# KiCad board led_mapper_850.kicad_pcb (continued)
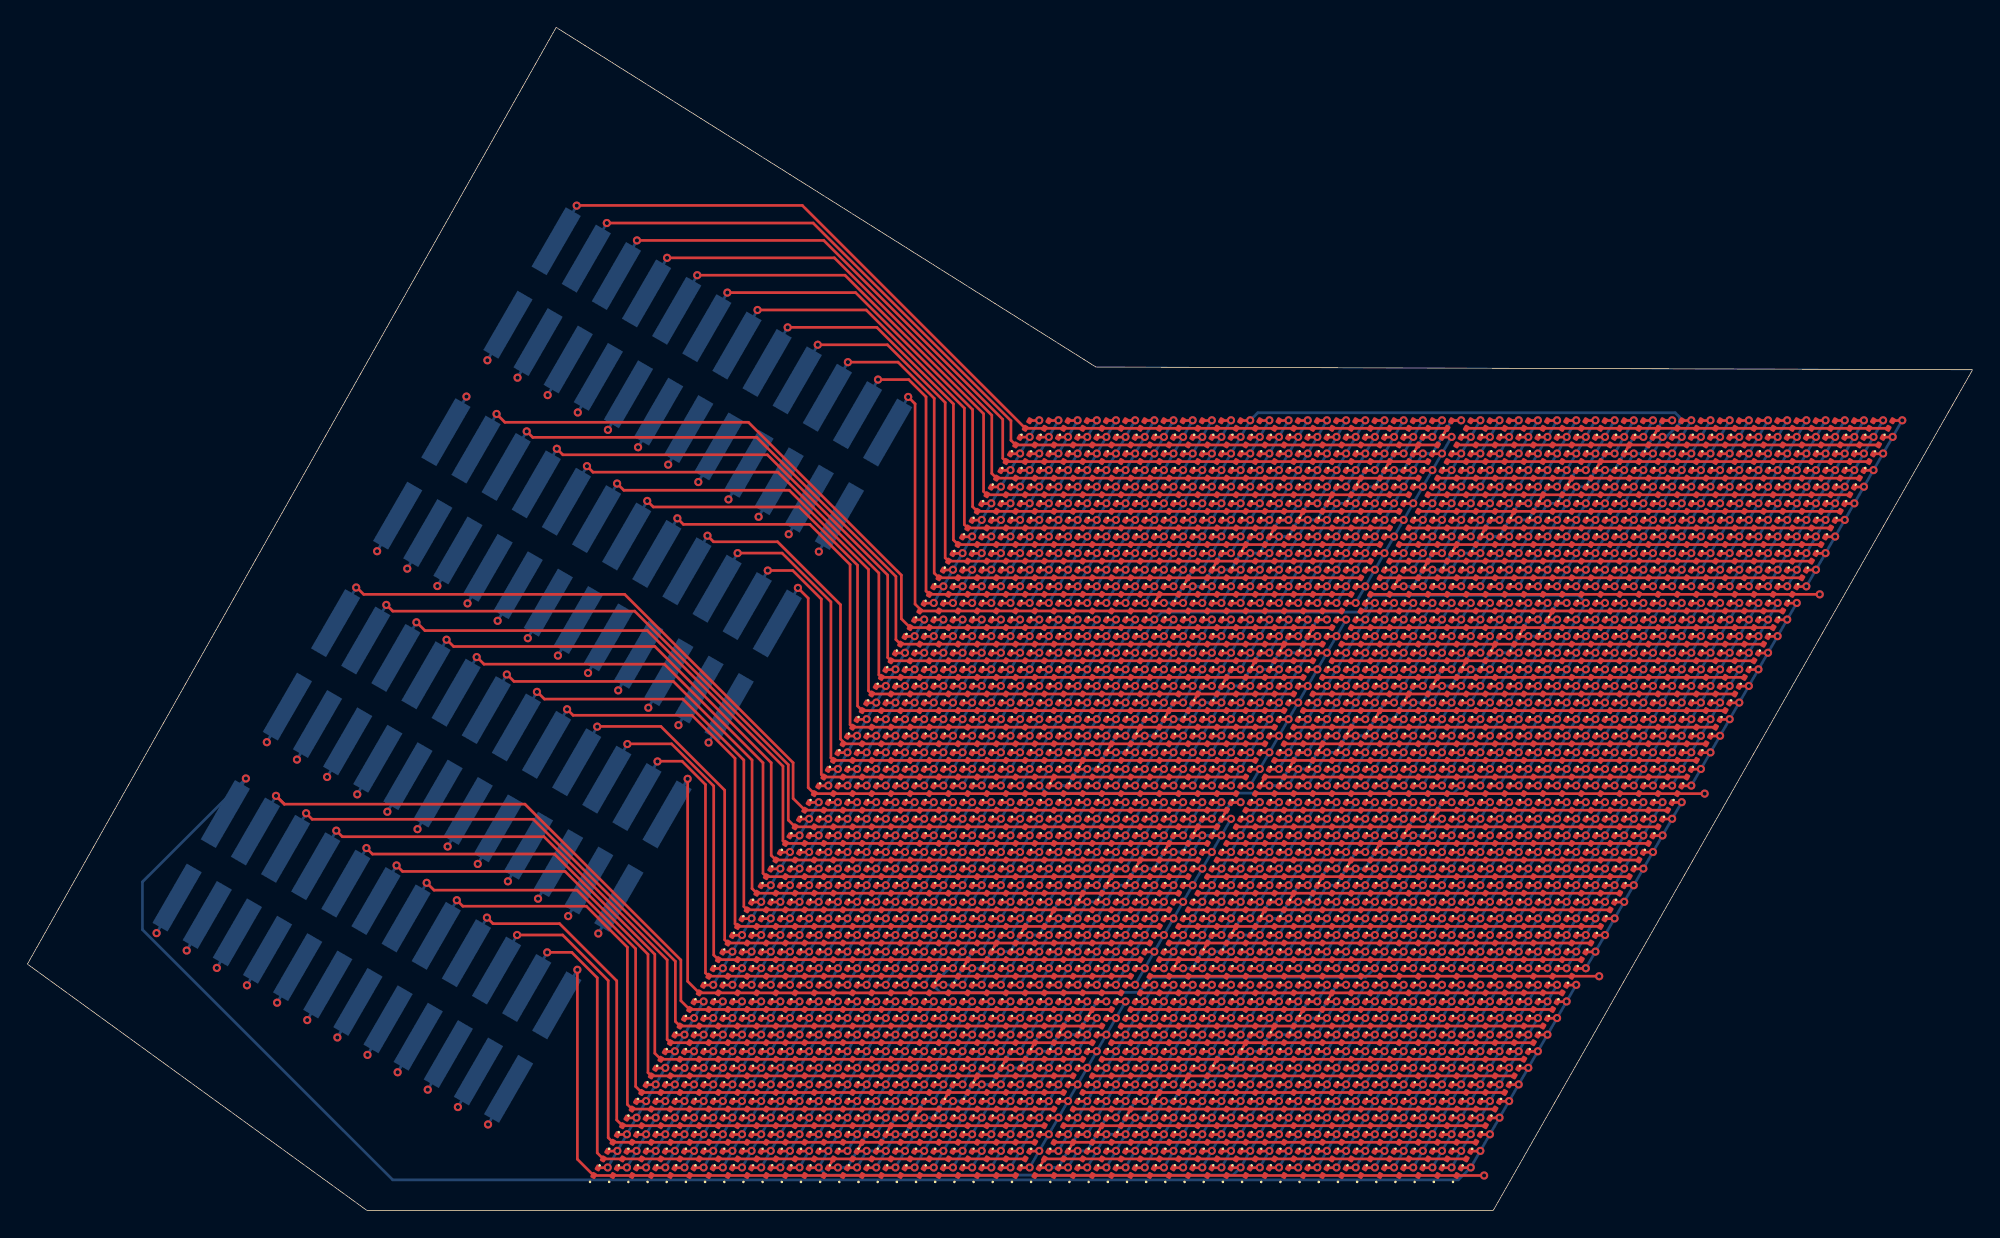
[diagram p0: board, top side]
## Routing (per net, layer and track width the routed paths; a pad name or vN(x,y) marks a point on that pad's centre or on a via; arc(x,y) is an arc through that point) (continued)
  In2.Cu w0.2: v1(86.46,38.31) 86.81,37.7 116.91,37.7 v1(117.26,38.31)
  Bottom w0.2: v1(80.86,31.04) v1(83.66,35.89) 84.36,35.89 85.76,38.31 v1(86.46,38.31) v1(89.26,43.16) ; J2.7 v1(45.25,51.82) ; v1(113.06,31.04) v1(120.76,44.37)
/network2/P08: length 138.3
  Top w0.2: D789.2 v1(84.36,37.1) ; D767.2 v1(115.16,37.1) ; D951.2 v1(117.96,41.95) ; v1(47.45,50.55) 47.89,50.11 57.12,50.11 60.06,47.17 60.06,35.48 D759.1 D737.1 ; D997.2 v1(118.66,43.16) ; D905.2 v1(117.26,40.74) ; D560.2 v1(79.46,31.04) ; D859.2 v1(116.56,39.52) ; D583.2 v1(112.36,32.25) ; D881.2 v1(85.76,39.52) ; D675.2 v1(113.76,34.67) ; D537.2 v1(111.66,31.04) ; D629.2 v1(113.06,33.46) ; D1043.2 v1(119.36,44.37) ; D744.1 D698.2 v1(81.56,34.67) ; D973.2 v1(87.16,41.95) ; D652.2 v1(80.86,33.46) ; D927.2 v1(86.46,40.74) ; D835.2 v1(85.06,38.31) ; D1019.2 v1(87.86,43.16) ; D813.2 v1(115.86,38.31) ; D721.2 v1(114.46,35.89) ; D606.2 v1(80.16,32.25)
  In2.Cu w0.2: v1(85.76,39.52) 86.11,38.92 116.21,38.92 v1(116.56,39.52)
  Bottom w0.2: 45.95,47.95 v1(47.45,50.55) ; v1(87.86,43.16) v1(84.36,37.1) 83.66,37.1 82.26,34.67 v1(81.56,34.67) v1(79.46,31.04) ; v1(111.66,31.04) v1(119.36,44.37)
/network2/P09: length 134.3
  Top w0.2: D691.1 59.7,34.09 59.36,34.43 59.36,44.24 54.76,48.84 50.09,48.84 v1(49.65,49.28) ; D768.2 v1(113.76,37.1) ; D814.2 v1(114.46,38.31) ; D882.2 v1(84.36,39.52) ; D974.2 v1(85.76,41.95) ; v1(79.46,33.46) D653.2 D699.1 ; D790.2 v1(82.96,37.1) ; D722.2 v1(113.06,35.89) ; D607.2 v1(78.76,32.25) ; D928.2 v1(85.06,40.74) ; D1020.2 v1(86.46,43.16) ; D744.2 v1(82.26,35.89) ; D952.2 v1(116.56,41.95) ; D860.2 v1(115.16,39.52) ; D836.2 v1(83.66,38.31) ; D630.2 v1(111.66,33.46) ; D998.2 v1(117.26,43.16) ; D561.2 v1(78.06,31.04) ; D1044.2 v1(117.96,44.37) ; D538.2 v1(110.26,31.04) ; D906.2 v1(115.86,40.74) ; D584.2 v1(110.96,32.25) ; D676.2 v1(112.36,34.67)
  In2.Cu w0.2: v1(115.86,40.74) 115.51,40.13 85.41,40.13 v1(85.06,40.74)
  Bottom w0.2: 48.15,46.68 v1(49.65,49.28) ; v1(78.06,31.04) v1(79.46,33.46) 80.16,33.46 81.56,35.89 v1(82.26,35.89) v1(86.46,43.16) ; v1(110.26,31.04) v1(117.96,44.37)
/network2/P10: length 132.3
  Top w0.2: D953.2 v1(115.16,41.95) ; D539.2 v1(108.86,31.04) ; D929.2 v1(83.66,40.74) ; D654.1 D608.2 v1(77.36,32.25) ; D883.2 v1(82.96,39.52) ; D562.2 v1(76.66,31.04) ; D1021.2 v1(85.06,43.16) ; D769.2 v1(112.36,37.1) ; D677.2 v1(110.96,34.67) ; D999.2 v1(115.86,43.16) ; D1045.2 v1(116.56,44.37) ; D699.2 v1(80.16,34.67) ; v1(51.85,48.01) 55.09,48.01 58.66,44.45 58.66,33.06 D667.1 D645.1 ; D837.2 v1(82.26,38.31) ; D723.2 v1(111.66,35.89) ; D791.2 v1(81.56,37.1) ; D861.2 v1(113.76,39.52) ; D631.2 v1(110.26,33.46) ; D815.2 v1(113.06,38.31) ; D975.2 v1(84.36,41.95) ; D907.2 v1(114.46,40.74) ; D745.2 v1(80.86,35.89) ; D585.2 v1(109.56,32.25)
  In2.Cu w0.2: v1(84.36,41.95) 84.71,41.34 114.81,41.34 v1(115.16,41.95)
  Bottom w0.2: v1(76.66,31.04) v1(77.36,32.25) 78.06,32.25 79.46,34.67 v1(80.16,34.67) v1(85.06,43.16) ; 50.35,45.41 v1(51.85,48.01) ; v1(108.86,31.04) v1(116.56,44.37)
/network2/P11: length 130.2
  Top w0.2: D884.2 v1(81.56,39.52) ; D1000.2 v1(114.46,43.16) ; D862.2 v1(112.36,39.52) ; D724.2 v1(110.26,35.89) ; D838.2 v1(80.86,38.31) ; D654.2 v1(78.06,33.46) ; D1046.2 v1(115.16,44.37) ; D599.1 D621.1 57.96,31.84 57.96,44.65 55.87,46.74 v1(54.05,46.74) ; D816.2 v1(111.66,38.31) ; D586.2 v1(108.16,32.25) ; D1022.2 v1(83.66,43.16) ; D609.1 D563.2 v1(75.26,31.04) ; D976.2 v1(82.96,41.95) ; D930.2 v1(82.26,40.74) ; D770.2 v1(110.96,37.1) ; D792.2 v1(80.16,37.1) ; D540.2 v1(107.46,31.04) ; D632.2 v1(108.86,33.46) ; D678.2 v1(109.56,34.67) ; D700.2 v1(78.76,34.67) ; D908.2 v1(113.06,40.74) ; D746.2 v1(79.46,35.89) ; D954.2 v1(113.76,41.95)
  In2.Cu w0.2: v1(114.46,43.16) 114.11,42.55 84.01,42.55 v1(83.66,43.16)
  Bottom w0.2: v1(83.66,43.16) v1(78.06,33.46) 77.36,33.46 75.96,31.04 v1(75.26,31.04) ; v1(107.46,31.04) v1(115.16,44.37) ; 52.55,44.14 v1(54.05,46.74)
/network2/P12: length 184.8
  Top w0.2: D747.2 v1(78.06,35.89) ; v1(56.25,45.47) 57,44.72 57,30.89 D575.1 D553.1 ; D817.2 v1(110.26,38.31) ; D793.2 v1(78.76,37.1) ; D955.2 v1(112.36,41.95) ; D541.2 v1(106.06,31.04) ; D1001.2 v1(113.06,43.16) ; D909.2 v1(111.66,40.74) ; D977.2 v1(81.56,41.95) ; D885.2 v1(80.16,39.52) ; D725.2 v1(108.86,35.89) ; D1023.2 v1(82.26,43.16) ; D931.2 v1(80.86,40.74) ; D701.2 v1(77.36,34.67) ; D609.2 v1(75.96,32.25) ; D863.2 v1(110.96,39.52) ; D839.2 v1(79.46,38.31) ; D655.2 v1(76.66,33.46) ; D587.2 v1(106.76,32.25) ; D771.2 v1(109.56,37.1) ; D679.2 v1(108.16,34.67) ; D633.2 v1(107.46,33.46) ; D1047.2 v1(113.76,44.37)
  In2.Cu w0.2: v1(113.06,43.16) 112.71,43.77 82.61,43.77 v1(82.26,43.16) 82.26,44.45 81.79,44.92 56.8,44.92 v1(56.25,45.47)
  Bottom w0.2: v1(106.06,31.04) v1(113.76,44.37) 113.21,44.92 98.14,44.92 97.76,44.54 97.76,44.02 97.45,43.71 82.81,43.71 v1(82.26,43.16) v1(75.96,32.25) ; 54.75,42.87 v1(56.25,45.47)
/network2/P13: length 167.3
  Top w0.2: D610.2 v1(74.56,32.25) ; D794.2 v1(77.36,37.1) ; D702.2 v1(75.96,34.67) ; D932.2 v1(79.46,40.74) ; D680.2 v1(106.76,34.67) ; D634.2 v1(106.06,33.46) ; D956.2 v1(110.96,41.95) ; D656.2 v1(75.26,33.46) ; D772.2 v1(108.16,37.1) ; v1(111.66,43.16) D1002.2 D1048.1 ; D588.2 v1(105.36,32.25) ; D910.2 v1(110.26,40.74) ; D542.2 v1(104.66,31.04) ; D748.2 v1(76.66,35.89) ; D1036.1 D1058.1 ; D1024.2 v1(80.86,43.16) ; D840.2 v1(78.06,38.31) ; D818.2 v1(108.86,38.31) ; D564.2 v1(73.86,31.04) ; D726.2 v1(107.46,35.89) ; D886.2 v1(78.76,39.52) ; D978.2 v1(80.16,41.95) ; D864.2 v1(109.56,39.52)
  In2.Cu w0.2: v1(25.53,48.15) 35.65,48.15 41.3,42.5 80.2,42.5 v1(80.86,43.16)
  Bottom w0.2: v1(80.86,43.16) v1(73.86,31.04) 74.41,30.49 104.11,30.49 v1(104.66,31.04) v1(111.66,43.16) ; J2.13 v1(25.53,48.15)
/network2/P14: length 166.3
  Top w0.2: D749.2 v1(75.26,35.89) ; D1003.1 D957.2 v1(109.56,41.95) ; D819.2 v1(107.46,38.31) ; D565.2 v1(72.46,31.04) ; D841.2 v1(76.66,38.31) ; D1048.2 v1(112.36,44.37) ; D865.2 v1(108.16,39.52) ; D773.2 v1(106.76,37.1) ; D611.2 v1(73.16,32.25) ; D703.2 v1(74.56,34.67) ; D979.2 v1(78.76,41.95) ; D911.2 v1(108.86,40.74) ; D589.2 v1(103.96,32.25) ; D635.2 v1(104.66,33.46) ; D543.2 v1(103.26,31.04) ; D727.2 v1(106.06,35.89) ; D1025.2 v1(79.46,43.16) ; D657.2 v1(73.86,33.46) ; D990.1 D1012.1 ; D933.2 v1(78.06,40.74) ; D681.2 v1(105.36,34.67) ; D887.2 v1(77.36,39.52) ; D795.2 v1(75.96,37.1)
  In1.Cu w0.2: v1(103.96,32.25) 103.61,31.64 73.51,31.64 v1(73.16,32.25) ; v1(27.73,46.88) 27.73,46.87 28.44,46.16 61.33,46.16 65.31,42.18 65.31,41.72 66.01,41.02 66.01,40.51 66.71,39.81 66.71,39.29 67.41,38.59 67.41,38.03 68.11,37.33 68.11,36.87 68.81,36.17 68.81,35.66 69.51,34.96 69.51,34.45 70.21,33.75 70.21,33.23 70.91,32.53 70.91,32.02 71.9,31.04 v1(72.46,31.04)
  Bottom w0.2: J2.14 v1(27.73,46.88) ; v1(112.36,44.37) 111.66,44.37 110.26,41.95 v1(109.56,41.95) v1(103.26,31.04) ; v1(72.46,31.04) v1(79.46,43.16)
/network2/P15: length 161.7
  Top w0.2: D1049.2 v1(110.96,44.37) ; D704.2 v1(73.16,34.67) ; D934.2 v1(76.66,40.74) ; D1003.2 v1(110.26,43.16) ; D888.2 v1(75.96,39.52) ; D750.2 v1(73.86,35.89) ; D544.2 v1(101.86,31.04) ; D682.2 v1(103.96,34.67) ; D944.1 D966.1 ; D774.2 v1(105.36,37.1) ; D842.2 v1(75.26,38.31) ; D866.2 v1(106.76,39.52) ; D958.1 D912.2 v1(107.46,40.74) ; D636.2 v1(103.26,33.46) ; D612.2 v1(71.76,32.25) ; D566.2 v1(71.06,31.04) ; D658.2 v1(72.46,33.46) ; D980.2 v1(77.36,41.95) ; D728.2 v1(104.66,35.89) ; D1026.2 v1(78.06,43.16) ; D820.2 v1(106.06,38.31) ; D796.2 v1(74.56,37.1) ; D590.2 v1(102.56,32.25)
  In1.Cu w0.2: v1(71.06,31.04) 70.8,31.04 69.51,32.32 69.51,32.48 68.88,33.11 68.88,33.62 68.11,34.39 68.11,34.9 67.41,35.6 67.41,36.11 66.71,36.81 66.71,37.33 66.28,37.76 66.28,38.27 65.58,38.97 65.58,39.49 64.88,40.19 64.88,40.7 60.69,44.89 30.65,44.89 v1(29.93,45.61) ; v1(103.26,33.46) 102.91,32.85 72.81,32.85 v1(72.46,33.46)
  Bottom w0.2: v1(110.96,44.37) v1(110.26,43.16) 109.56,43.16 108.16,40.74 v1(107.46,40.74) v1(101.86,31.04) ; J2.15 v1(29.93,45.61) ; v1(71.06,31.04) v1(78.06,43.16)
/network2/P16: length 157.3
  Top w0.2: D958.2 v1(108.16,41.95) ; D889.2 v1(74.56,39.52) ; D659.2 v1(71.06,33.46) ; D913.1 D867.2 v1(105.36,39.52) ; D981.2 v1(75.96,41.95) ; D545.2 v1(100.46,31.04) ; D1004.2 v1(108.86,43.16) ; D751.2 v1(72.46,35.89) ; D821.2 v1(104.66,38.31) ; D567.2 v1(69.66,31.04) ; D637.2 v1(101.86,33.46) ; D797.2 v1(73.16,37.1) ; D1050.2 v1(109.56,44.37) ; D775.2 v1(103.96,37.1) ; D591.2 v1(101.16,32.25) ; D935.2 v1(75.26,40.74) ; D613.2 v1(70.36,32.25) ; D1027.2 v1(76.66,43.16) ; D898.1 D920.1 ; D843.2 v1(73.86,38.31) ; D729.2 v1(103.26,35.89) ; D683.2 v1(102.56,34.67) ; D705.2 v1(71.76,34.67)
  In1.Cu w0.2: v1(71.76,34.67) 72.11,34.07 102.21,34.07 v1(102.56,34.67) ; v1(32.13,44.34) 59.33,44.34 63.91,39.75 63.91,39.24 64.61,38.54 64.61,38.03 65.31,37.33 65.31,36.89 66.2,36 66.2,35.77 66.8,35.17 66.8,34.6 67.71,33.69 67.71,33.23 68.22,32.73 68.22,32.22 69.4,31.04 v1(69.66,31.04)
  Bottom w0.2: v1(69.66,31.04) v1(76.66,43.16) ; J2.16 v1(32.13,44.34) ; v1(100.46,31.04) v1(105.36,39.52) 106.06,39.52 107.46,41.95 v1(108.16,41.95) v1(109.56,44.37)
/network2/P17: length 152.9
  Top w0.2: D959.2 v1(106.76,41.95) ; D614.2 v1(68.96,32.25) ; D868.1 D822.2 v1(103.26,38.31) ; D706.2 v1(70.36,34.67) ; D592.2 v1(99.76,32.25) ; D730.2 v1(101.86,35.89) ; D982.2 v1(74.56,41.95) ; D568.2 v1(68.26,31.04) ; D890.2 v1(73.16,39.52) ; D776.2 v1(102.56,37.1) ; D752.2 v1(71.06,35.89) ; D798.2 v1(71.76,37.1) ; D852.1 D874.1 ; D660.2 v1(69.66,33.46) ; D684.2 v1(101.16,34.67) ; D1005.2 v1(107.46,43.16) ; D913.2 v1(106.06,40.74) ; D936.2 v1(73.86,40.74) ; D546.2 v1(99.06,31.04) ; D1028.2 v1(75.26,43.16) ; D638.2 v1(100.46,33.46) ; D1051.2 v1(108.16,44.37) ; D844.2 v1(72.46,38.31)
  In1.Cu w0.2: v1(101.86,35.89) 101.51,35.28 71.41,35.28 v1(71.06,35.89) ; v1(34.33,43.07) 58.73,43.07 63.51,38.29 63.51,37.89 64.21,37.19 64.21,36.79 64.61,36.39 64.61,35.6 65.4,34.82 65.4,34.3 66.31,33.39 66.31,33.18 67.01,32.48 67.01,32.02 68,31.04 v1(68.26,31.04)
  Bottom w0.2: v1(68.26,31.04) v1(75.26,43.16) ; J2.17 v1(34.33,43.07) ; v1(99.06,31.04) v1(103.26,38.31) 103.96,38.31 105.36,40.74 v1(106.06,40.74) v1(108.16,44.37)
/network2/P18: length 148.5
  Top w0.2: D891.2 v1(71.76,39.52) ; D615.2 v1(67.56,32.25) ; D1029.2 v1(73.86,43.16) ; D845.2 v1(71.06,38.31) ; D1052.2 v1(106.76,44.37) ; D799.2 v1(70.36,37.1) ; D639.2 v1(99.06,33.46) ; D593.2 v1(98.36,32.25) ; D914.2 v1(104.66,40.74) ; D661.2 v1(68.26,33.46) ; D707.2 v1(68.96,34.67) ; D731.2 v1(100.46,35.89) ; v1(101.16,37.1) D777.2 D823.1 ; D868.2 v1(103.96,39.52) ; D1006.2 v1(106.06,43.16) ; D960.2 v1(105.36,41.95) ; D937.2 v1(72.46,40.74) ; D753.2 v1(69.66,35.89) ; D685.2 v1(99.76,34.67) ; D806.1 D828.1 ; D547.2 v1(97.66,31.04) ; D983.2 v1(73.16,41.95) ; D569.2 v1(66.86,31.04)
  In1.Cu w0.2: v1(36.53,41.8) 58.04,41.8 62.81,37.03 62.81,36.87 63.51,36.17 63.51,35.49 64.21,34.79 64.21,34.45 64.61,34.05 64.61,33.39 65.61,32.39 65.61,31.99 66.56,31.04 v1(66.86,31.04) ; v1(101.16,37.1) 100.81,36.49 70.71,36.49 v1(70.36,37.1)
  Bottom w0.2: v1(66.86,31.04) v1(73.86,43.16) ; v1(97.66,31.04) v1(101.16,37.1) 101.86,37.1 103.26,39.52 v1(103.96,39.52) v1(106.76,44.37) ; J2.18 v1(36.53,41.8)
/network2/P19: length 145.5
  Top w0.2: D984.2 v1(71.76,41.95) ; v1(99.06,35.89) D732.2 D778.1 ; D938.2 v1(71.06,40.74) ; D760.1 D782.1 ; D570.2 v1(65.46,31.04) ; D1030.2 v1(72.46,43.16) ; D892.2 v1(70.36,39.52) ; D686.2 v1(98.36,34.67) ; D640.2 v1(97.66,33.46) ; D616.2 v1(66.16,32.25) ; D708.2 v1(67.56,34.67) ; D1053.2 v1(105.36,44.37) ; D662.2 v1(66.86,33.46) ; D1007.2 v1(104.66,43.16) ; D754.2 v1(68.26,35.89) ; D823.2 v1(101.86,38.31) ; D961.2 v1(103.96,41.95) ; D915.2 v1(103.26,40.74) ; D800.2 v1(68.96,37.1) ; D846.2 v1(69.66,38.31) ; D594.2 v1(96.96,32.25) ; D869.2 v1(102.56,39.52) ; D548.2 v1(96.26,31.04)
  In1.Cu w0.2: v1(38.73,40.53) 57.4,40.53 62,35.93 62,35.42 62.51,34.9 62.51,34.75 63.29,33.97 63.29,33.4 64.21,32.48 64.21,31.99 65.16,31.04 v1(65.46,31.04) ; v1(69.66,38.31) 70.01,37.7 101.51,37.7 v1(101.86,38.31)
  Bottom w0.2: J2.19 v1(38.73,40.53) ; v1(96.26,31.04) v1(99.06,35.89) 99.76,35.89 101.16,38.31 v1(101.86,38.31) v1(105.36,44.37) ; v1(65.46,31.04) v1(72.46,43.16)
/network2/P20: length 141
  Top w0.2: v1(96.96,34.67) D687.2 D733.1 ; D870.2 v1(101.16,39.52) ; D1054.2 v1(103.96,44.37) ; D1008.2 v1(103.26,43.16) ; D985.2 v1(70.36,41.95) ; D962.2 v1(102.56,41.95) ; D549.2 v1(94.86,31.04) ; D939.2 v1(69.66,40.74) ; D824.2 v1(100.46,38.31) ; D916.2 v1(101.86,40.74) ; D663.2 v1(65.46,33.46) ; D778.2 v1(99.76,37.1) ; D709.2 v1(66.16,34.67) ; D801.2 v1(67.56,37.1) ; D847.2 v1(68.26,38.31) ; D893.2 v1(68.96,39.52) ; D641.2 v1(96.26,33.46) ; D571.2 v1(64.06,31.04) ; D595.2 v1(95.56,32.25) ; D617.2 v1(64.76,32.25) ; D714.1 D736.1 ; D755.2 v1(66.86,35.89) ; D1031.2 v1(71.06,43.16)
  In1.Cu w0.2: v1(68.26,38.31) 68.61,38.92 100.11,38.92 v1(100.46,38.31) ; v1(64.06,31.04) 63.76,31.04 62.75,32.05 62.75,32.6 62.07,33.27 62.07,33.79 61.2,34.66 61.2,34.82 56.76,39.26 v1(40.93,39.26)
  Bottom w0.2: v1(103.96,44.37) v1(99.76,37.1) 99.06,37.1 97.66,34.67 v1(96.96,34.67) v1(94.86,31.04) ; J2.20 v1(40.93,39.26) ; v1(64.06,31.04) v1(71.06,43.16)
/network2/P21: length 136.8
  Top w0.2: D825.2 v1(99.06,38.31) ; D550.2 v1(93.46,31.04) ; D894.2 v1(67.56,39.52) ; D710.2 v1(64.76,34.67) ; D618.2 v1(63.36,32.25) ; D756.2 v1(65.46,35.89) ; D940.2 v1(68.26,40.74) ; D572.2 v1(62.66,31.04) ; D802.2 v1(66.16,37.1) ; D1055.2 v1(102.56,44.37) ; D1032.2 v1(69.66,43.16) ; D688.1 D642.2 v1(94.86,33.46) ; D733.2 v1(97.66,35.89) ; D596.2 v1(94.16,32.25) ; D668.1 D690.1 ; D871.2 v1(99.76,39.52) ; D1009.2 v1(101.86,43.16) ; D917.2 v1(100.46,40.74) ; D963.2 v1(101.16,41.95) ; D779.2 v1(98.36,37.1) ; D848.2 v1(66.86,38.31) ; D664.2 v1(64.06,33.46) ; D986.2 v1(68.96,41.95)
  In1.Cu w0.2: v1(99.76,39.52) 99.41,40.13 67.91,40.13 v1(67.56,39.52) ; v1(43.13,37.99) 56.41,37.99 60.71,33.69 60.71,32.88 61.4,32.19 61.4,32.03 62.4,31.04 v1(62.66,31.04)
  Bottom w0.2: v1(93.46,31.04) v1(94.86,33.46) 95.56,33.46 96.96,35.89 v1(97.66,35.89) v1(102.56,44.37) ; J2.21 v1(43.13,37.99) ; v1(62.66,31.04) v1(69.66,43.16)
/network2/P22: length 132.3
  Top w0.2: D872.2 v1(98.36,39.52) ; D1010.2 v1(100.46,43.16) ; D573.2 v1(61.26,31.04) ; D643.1 D597.2 v1(92.76,32.25) ; D757.2 v1(64.06,35.89) ; D688.2 v1(95.56,34.67) ; D780.2 v1(96.96,37.1) ; D665.2 v1(62.66,33.46) ; D1033.2 v1(68.26,43.16) ; D1056.2 v1(101.16,44.37) ; D895.2 v1(66.16,39.52) ; D622.1 D644.1 ; D964.2 v1(99.76,41.95) ; D987.2 v1(67.56,41.95) ; D826.2 v1(97.66,38.31) ; D803.2 v1(64.76,37.1) ; D711.2 v1(63.36,34.67) ; D619.2 v1(61.96,32.25) ; D849.2 v1(65.46,38.31) ; D918.2 v1(99.06,40.74) ; D941.2 v1(66.86,40.74) ; D551.2 v1(92.06,31.04) ; D734.2 v1(96.26,35.89)
  In1.Cu w0.2: v1(66.86,40.74) 67.21,41.34 98.71,41.34 v1(99.06,40.74) ; v1(45.33,36.72) 55.68,36.72 60.01,32.39 60.01,32.02 61,31.04 v1(61.26,31.04)
  Bottom w0.2: J2.22 v1(45.33,36.72) ; v1(101.16,44.37) v1(95.56,34.67) 94.86,34.67 93.46,32.25 v1(92.76,32.25) v1(92.06,31.04) ; v1(61.26,31.04) v1(68.26,43.16)
/network2/P23: length 127.9
  Top w0.2: D850.2 v1(64.06,38.31) ; D988.2 v1(66.16,41.95) ; D576.1 D598.1 D552.2 v1(90.66,31.04) ; D896.2 v1(64.76,39.52) ; D689.2 v1(94.16,34.67) ; D965.2 v1(98.36,41.95) ; D758.2 v1(62.66,35.89) ; D827.2 v1(96.26,38.31) ; D873.2 v1(96.96,39.52) ; D643.2 v1(93.46,33.46) ; D666.2 v1(61.26,33.46) ; D942.2 v1(65.46,40.74) ; D712.2 v1(61.96,34.67) ; D781.2 v1(95.56,37.1) ; D919.2 v1(97.66,40.74) ; D1034.2 v1(66.86,43.16) ; D804.2 v1(63.36,37.1) ; D1011.2 v1(99.06,43.16) ; D620.2 v1(60.56,32.25) ; D735.2 v1(94.86,35.89) ; D1057.2 v1(99.76,44.37) ; D574.2 v1(59.86,31.04)
  In1.Cu w0.2: v1(66.16,41.95) 66.51,42.55 98.01,42.55 v1(98.36,41.95) ; v1(59.86,31.04) 59.24,31.04 54.83,35.45 v1(47.53,35.45)
  Bottom w0.2: v1(99.76,44.37) v1(93.46,33.46) 92.76,33.46 91.36,31.04 v1(90.66,31.04) ; J2.23 v1(47.53,35.45) ; v1(59.86,31.04) v1(66.86,43.16)
/network2/P24: length 161.6
  Top w0.2: D644.2 v1(92.06,33.46) ; D1012.2 v1(97.66,43.16) ; D575.2 v1(58.46,31.04) ; D1035.2 v1(65.46,43.16) ; D552.1 D530.1 v1(122.44,30.45) ; D1058.2 v1(98.36,44.37) ; D667.2 v1(59.86,33.46) ; D805.2 v1(61.96,37.1) ; D966.2 v1(96.96,41.95) ; D828.2 v1(94.86,38.31) ; D874.2 v1(95.56,39.52) ; D943.2 v1(64.06,40.74) ; D621.2 v1(59.16,32.25) ; D782.2 v1(94.16,37.1) ; D690.2 v1(92.76,34.67) ; D989.2 v1(64.76,41.95) ; D713.2 v1(60.56,34.67) ; D759.2 v1(61.26,35.89) ; D851.2 v1(62.66,38.31) ; D920.2 v1(96.26,40.74) ; D598.2 v1(91.36,32.25) ; D897.2 v1(63.36,39.52) ; D736.2 v1(93.46,35.89)
  In1.Cu w0.2: v1(49.73,34.18) 55.32,34.18 v1(58.46,31.04) ; v1(122.44,30.45) 122.71,30.72 122.71,32.69 122.2,33.2 122.2,33.93 122.71,34.45 122.71,34.9 122.2,35.42 122.2,36.36 122.71,36.87 122.71,37.49 122.2,38 122.2,38.78 122.71,39.29 122.71,40.09 122.2,40.6 122.2,41.21 122.71,41.72 122.71,42.53 122.2,43.05 122.2,43.56 121.94,43.82 98.91,43.82 v1(98.36,44.37) ; v1(65.46,43.16) 65.81,43.77 97.31,43.77 v1(97.66,43.16)
  Bottom w0.2: J2.24 v1(49.73,34.18) ; v1(91.36,32.25) v1(98.36,44.37) ; v1(58.46,31.04) v1(65.46,43.16)
/network3/P01: length 91.5
  Top w0.2: D1105.2 v1(57.06,28.61) ; D1496.2 v1(83.66,18.91) ; D1335.2 v1(53.56,22.55) ; D1450.2 v1(84.36,20.12) ; D1059.2 v1(57.76,29.82) ; D1358.2 v1(85.76,22.55) ; D1174.2 v1(88.56,27.4) ; D1289.2 v1(54.26,23.76) ; D1151.2 v1(56.36,27.4) ; D1220.2 v1(87.86,26.19) ; D1473.2 v1(51.46,18.91) ; D1404.2 v1(85.06,21.34) ; D1565.2 v1(50.06,16.49) ; D1266.2 v1(87.16,24.97) ; D1082.2 v1(89.96,29.82) ; D1381.2 v1(52.86,21.34) ; D1542.2 v1(82.96,17.7) ; D1128.2 v1(89.26,28.61) ; D1312.2 v1(86.46,23.76) ; D1519.2 v1(50.76,17.7) ; D1197.2 v1(55.66,26.19) ; D1427.2 v1(52.16,20.12) ; D1243.2 v1(54.96,24.97)
  In1.Cu w0.2: v1(57.76,29.82) 58.11,30.43 89.61,30.43 v1(89.96,29.82) ; 41.62,20.23 46.32,20.23 v1(50.06,16.49)
  Bottom w0.2: J3.1 v1(41.68,20.24) ; v1(89.96,29.82) v1(82.96,17.7) ; v1(57.76,29.82) v1(50.06,16.49)
/network3/P02: length 163.6
  Top w0.2: D1359.2 v1(87.16,22.55) ; D1221.2 v1(89.26,26.19) ; D1405.2 v1(86.46,21.34) ; D1152.2 v1(57.76,27.4) ; D1382.2 v1(54.26,21.34) ; D1198.2 v1(57.06,26.19) ; D1336.2 v1(54.96,22.55) ; D1129.2 v1(90.66,28.61) ; D1497.2 v1(85.06,18.91) ; D1520.2 v1(52.16,17.7) ; D1474.2 v1(52.86,18.91) ; D1106.2 v1(58.46,28.61) ; v1(114.74,17.11) D1564.1 D1542.1 ; D1267.2 v1(88.56,24.97) ; D1060.2 v1(59.16,29.82) ; D1428.2 v1(53.56,20.12) ; D1083.2 v1(91.36,29.82) ; D1313.2 v1(87.86,23.76) ; D1290.2 v1(55.66,23.76) ; D1244.2 v1(56.36,24.97) ; D1451.2 v1(85.76,20.12) ; D1566.2 v1(51.46,16.49) ; D1175.2 v1(89.96,27.4)
  In1.Cu w0.2: v1(90.66,28.61) 90.31,29.22 58.81,29.22 v1(58.46,28.61) ; v1(51.46,16.49) 51.13,16.49 46.12,21.5 39.42,21.5 ; v1(91.36,29.82) 91.91,29.27 114.58,29.27 115.01,28.84 115.01,28.38 114.6,27.97 114.6,27.19 115.01,26.77 115.01,25.96 114.6,25.54 114.6,24.76 115.01,24.35 115.01,23.53 114.6,23.12 114.6,22 115.01,21.59 115.01,21.11 114.6,20.69 114.6,19.6 115.01,19.19 115.01,17.39 v1(114.74,17.11)
  Bottom w0.2: v1(59.16,29.82) v1(51.46,16.49) ; v1(91.36,29.82) v1(85.06,18.91) ; J3.2 v1(39.48,21.51)
/network3/P03: length 132.1
  Top w0.2: D1153.2 v1(59.16,27.4) ; D1176.2 v1(91.36,27.4) ; D1314.2 v1(89.26,23.76) ; D1337.2 v1(56.36,22.55) ; D1291.2 v1(57.06,23.76) ; D1452.2 v1(87.16,20.12) ; D1130.2 v1(92.06,28.61) ; D1268.2 v1(89.96,24.97) ; D1222.2 v1(90.66,26.19) ; D1567.2 v1(52.86,16.49) ; D1084.2 v1(92.76,29.82) ; D1521.2 v1(53.56,17.7) ; D1245.2 v1(57.76,24.97) ; D1475.2 v1(54.26,18.91) ; D1199.2 v1(58.46,26.19) ; D1497.1 D1543.2 v1(84.36,17.7) ; D1360.2 v1(88.56,22.55) ; D1061.2 v1(60.56,29.82) ; D1496.1 D1518.1 ; D1107.2 v1(59.86,28.61) ; D1429.2 v1(54.96,20.12) ; D1383.2 v1(55.66,21.34) ; D1406.2 v1(87.86,21.34)
  In1.Cu w0.2: v1(52.86,16.49) 52.6,16.49 51.6,17.49 51.6,17.64 46.47,22.77 37.22,22.77 ; v1(59.16,27.4) 59.51,28 91.01,28 v1(91.36,27.4)
  Bottom w0.2: v1(84.36,17.7) 85.06,17.7 86.46,20.12 v1(87.16,20.12) v1(92.76,29.82) ; J3.3 v1(37.28,22.78) ; v1(60.56,29.82) v1(52.86,16.49)
/network3/P04: length 136.8
  Top w0.2: D1131.2 v1(93.46,28.61) ; D1361.2 v1(89.96,22.55) ; D1292.2 v1(58.46,23.76) ; D1338.2 v1(57.76,22.55) ; D1384.2 v1(57.06,21.34) ; D1223.2 v1(92.06,26.19) ; D1452.1 D1498.2 v1(86.46,18.91) ; D1269.2 v1(91.36,24.97) ; D1476.2 v1(55.66,18.91) ; D1154.2 v1(60.56,27.4) ; D1085.2 v1(94.16,29.82) ; D1544.2 v1(85.76,17.7) ; D1450.1 D1472.1 ; D1062.2 v1(61.96,29.82) ; D1568.2 v1(54.26,16.49) ; D1177.2 v1(92.76,27.4) ; D1200.2 v1(59.86,26.19) ; D1315.2 v1(90.66,23.76) ; D1246.2 v1(59.16,24.97) ; D1430.2 v1(56.36,20.12) ; D1407.2 v1(89.26,21.34) ; D1108.2 v1(61.26,28.61) ; D1522.2 v1(54.96,17.7)
  In1.Cu w0.2: v1(54.26,16.49) 54,16.49 52.8,17.69 52.8,17.84 52.31,18.33 52.31,19.2 47.47,24.04 35.02,24.04 ; v1(59.86,26.19) 60.21,26.79 91.71,26.79 v1(92.06,26.19)
  Bottom w0.2: v1(61.96,29.82) v1(54.26,16.49) ; v1(85.76,17.7) v1(86.46,18.91) 87.16,18.91 88.56,21.34 v1(89.26,21.34) v1(94.16,29.82) ; J3.4 v1(35.08,24.05)
/network3/P05: length 141.2
  Top w0.2: D1385.2 v1(58.46,21.34) ; D1086.2 v1(95.56,29.82) ; D1293.2 v1(59.86,23.76) ; D1201.2 v1(61.26,26.19) ; D1407.1 D1453.2 v1(88.56,20.12) ; D1155.2 v1(61.96,27.4) ; D1499.2 v1(87.86,18.91) ; D1431.2 v1(57.76,20.12) ; D1404.1 D1426.1 ; D1339.2 v1(59.16,22.55) ; D1477.2 v1(57.06,18.91) ; D1063.2 v1(63.36,29.82) ; D1109.2 v1(62.66,28.61) ; D1132.2 v1(94.86,28.61) ; D1316.2 v1(92.06,23.76) ; D1362.2 v1(91.36,22.55) ; D1569.2 v1(55.66,16.49) ; D1224.2 v1(93.46,26.19) ; D1178.2 v1(94.16,27.4) ; D1545.2 v1(87.16,17.7) ; D1270.2 v1(92.76,24.97) ; D1523.2 v1(56.36,17.7) ; D1247.2 v1(60.56,24.97)
  In1.Cu w0.2: v1(55.66,16.49) 55.4,16.49 54.2,17.69 54.2,17.84 53.51,18.53 53.51,19.4 52.82,20.09 52.82,20.6 48.11,25.31 32.82,25.31 ; v1(60.56,24.97) 60.91,25.58 92.41,25.58 v1(92.76,24.97)
  Bottom w0.2: v1(95.56,29.82) v1(91.36,22.55) 90.66,22.55 89.26,20.12 v1(88.56,20.12) v1(87.16,17.7) ; v1(63.36,29.82) v1(55.66,16.49) ; J3.5 v1(32.88,25.32)
/network3/P06: length 145.4
  Top w0.2: D1570.2 v1(57.06,16.49) ; D1358.1 D1380.1 ; D1179.2 v1(95.56,27.4) ; D1432.2 v1(59.16,20.12) ; D1064.2 v1(64.76,29.82) ; D1202.2 v1(62.66,26.19) ; D1524.2 v1(57.76,17.7) ; D1133.2 v1(96.26,28.61) ; D1340.2 v1(60.56,22.55) ; D1454.2 v1(89.96,20.12) ; D1156.2 v1(63.36,27.4) ; D1386.2 v1(59.86,21.34) ; D1294.2 v1(61.26,23.76) ; D1225.2 v1(94.86,26.19) ; D1362.1 D1408.2 v1(90.66,21.34) ; D1317.2 v1(93.46,23.76) ; D1248.2 v1(61.96,24.97) ; D1271.2 v1(94.16,24.97) ; D1500.2 v1(89.26,18.91) ; D1087.2 v1(96.96,29.82) ; D1110.2 v1(64.06,28.61) ; D1546.2 v1(88.56,17.7) ; D1478.2 v1(58.46,18.91)
  In1.Cu w0.2: v1(61.26,23.76) 61.61,24.37 93.11,24.37 v1(93.46,23.76) ; 30.62,26.58 48.4,26.58 53.41,21.56 53.41,21.19 54.2,20.4 54.2,19.91 55.11,19 55.11,18.5 55.81,17.8 55.81,17.47 56.8,16.49 v1(57.06,16.49)
  Bottom w0.2: J3.6 v1(30.68,26.59) ; v1(64.76,29.82) v1(57.06,16.49) ; v1(88.56,17.7) v1(90.66,21.34) 91.36,21.34 92.76,23.76 v1(93.46,23.76) v1(96.96,29.82)
/network3/P07: length 148.6
  Top w0.2: D1180.2 v1(96.96,27.4) ; v1(92.76,22.55) D1363.2 D1317.1 ; D1387.2 v1(61.26,21.34) ; D1571.2 v1(58.46,16.49) ; D1295.2 v1(62.66,23.76) ; D1157.2 v1(64.76,27.4) ; D1111.2 v1(65.46,28.61) ; D1547.2 v1(89.96,17.7) ; D1409.2 v1(92.06,21.34) ; D1203.2 v1(64.06,26.19) ; D1272.2 v1(95.56,24.97) ; D1455.2 v1(91.36,20.12) ; D1433.2 v1(60.56,20.12) ; D1226.2 v1(96.26,26.19) ; D1312.1 D1334.1 ; D1501.2 v1(90.66,18.91) ; D1065.2 v1(66.16,29.82) ; D1525.2 v1(59.16,17.7) ; D1134.2 v1(97.66,28.61) ; D1341.2 v1(61.96,22.55) ; D1479.2 v1(59.86,18.91) ; D1249.2 v1(63.36,24.97) ; D1088.2 v1(98.36,29.82)
  In1.Cu w0.2: v1(58.46,16.49) 58.2,16.49 57.21,17.47 57.21,17.98 56.51,18.68 56.51,19.2 55.81,19.9 55.81,20.35 55.11,21.05 55.11,21.29 54.11,22.29 54.11,23.03 49.3,27.85 28.42,27.85 ; v1(92.76,22.55) 92.41,23.15 62.31,23.15 v1(61.96,22.55)
  Bottom w0.2: J3.7 v1(28.48,27.86) ; v1(89.96,17.7) v1(92.76,22.55) 93.46,22.55 94.86,24.97 v1(95.56,24.97) v1(98.36,29.82) ; v1(66.16,29.82) v1(58.46,16.49)
/network3/P08: length 152.8
  Top w0.2: D1410.2 v1(93.46,21.34) ; D1066.2 v1(67.56,29.82) ; D1388.2 v1(62.66,21.34) ; D1480.2 v1(61.26,18.91) ; D1526.2 v1(60.56,17.7) ; D1502.2 v1(92.06,18.91) ; v1(94.86,23.76) D1318.2 D1272.1 ; D1250.2 v1(64.76,24.97) ; D1342.2 v1(63.36,22.55) ; D1181.2 v1(98.36,27.4) ; D1572.2 v1(59.86,16.49) ; D1296.2 v1(64.06,23.76) ; D1227.2 v1(97.66,26.19) ; D1548.2 v1(91.36,17.7) ; D1456.2 v1(92.76,20.12) ; D1266.1 D1288.1 ; D1434.2 v1(61.96,20.12) ; D1204.2 v1(65.46,26.19) ; D1364.2 v1(94.16,22.55) ; D1089.2 v1(99.76,29.82) ; D1112.2 v1(66.86,28.61) ; D1135.2 v1(99.06,28.61) ; D1158.2 v1(66.16,27.4)
  In1.Cu w0.2: v1(62.66,21.34) 63.01,21.94 93.11,21.94 v1(93.46,21.34) ; 26.22,29.12 49.68,29.12 55.11,23.69 55.11,23.3 55.81,22.6 55.81,22.26 56.51,21.56 56.51,20.9 57.21,20.2 57.21,19.84 57.91,19.14 57.91,18.5 58.61,17.8 58.61,17.47 59.6,16.49 v1(59.86,16.49)
  Bottom w0.2: J3.8 v1(26.28,29.13) ; v1(67.56,29.82) v1(59.86,16.49) ; v1(91.36,17.7) v1(94.86,23.76) 95.56,23.76 96.96,26.19 v1(97.66,26.19) v1(99.76,29.82)
